# Altium PCB Thermostat_Thorlabs.PCBDOC (part 1 of 2)
Units mil, origin at the board's own origin, x right, y up, seen from the top; angles counter-clockwise.
Board outline 4729.41 x 1993.19 mil, 2 copper layers (TopLayer, BottomLayer), stack 61.855 mil thick; 130 components, 90 nets, 580 pads, 250 vias.
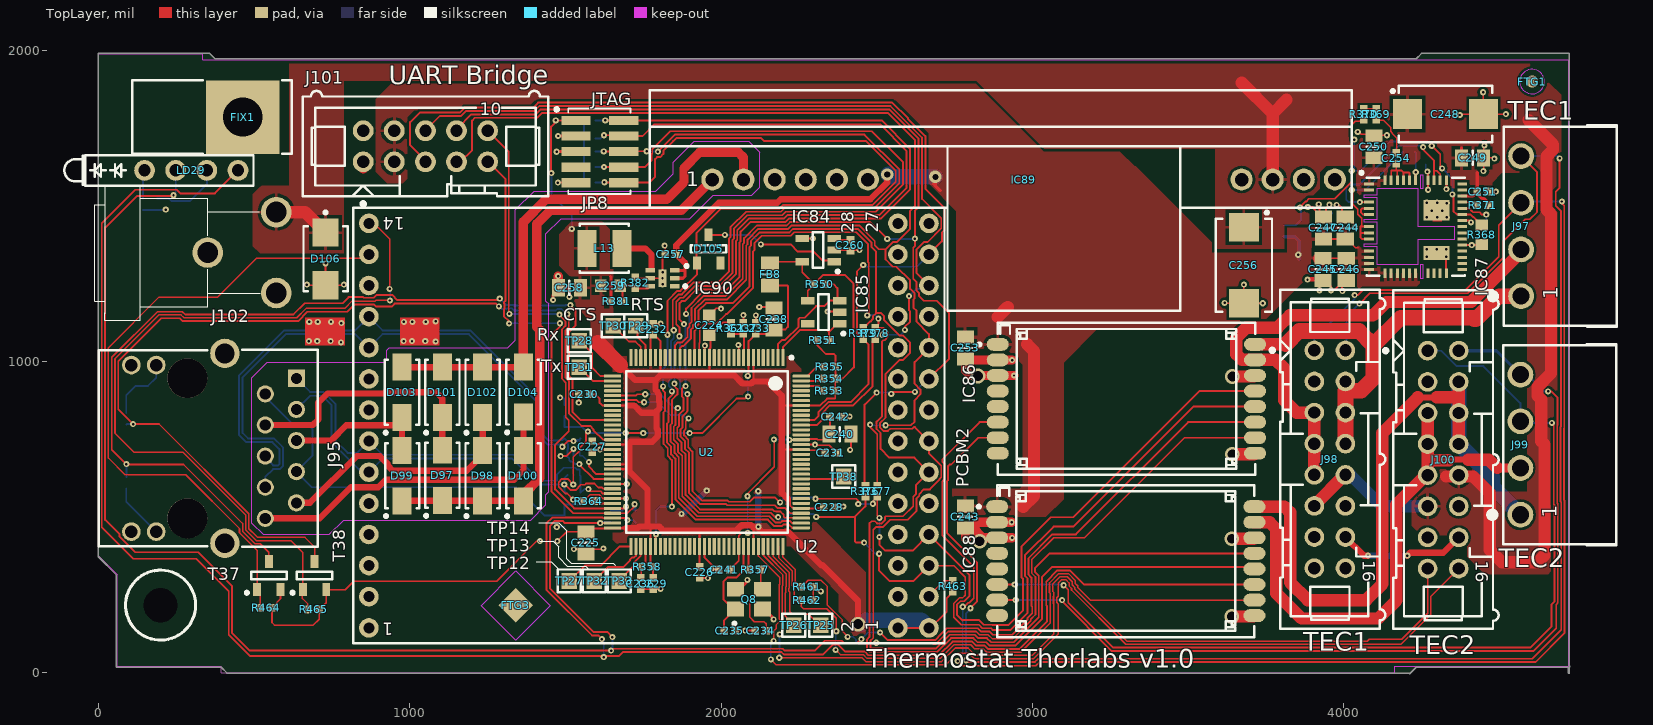
[diagram p0: TopLayer view]
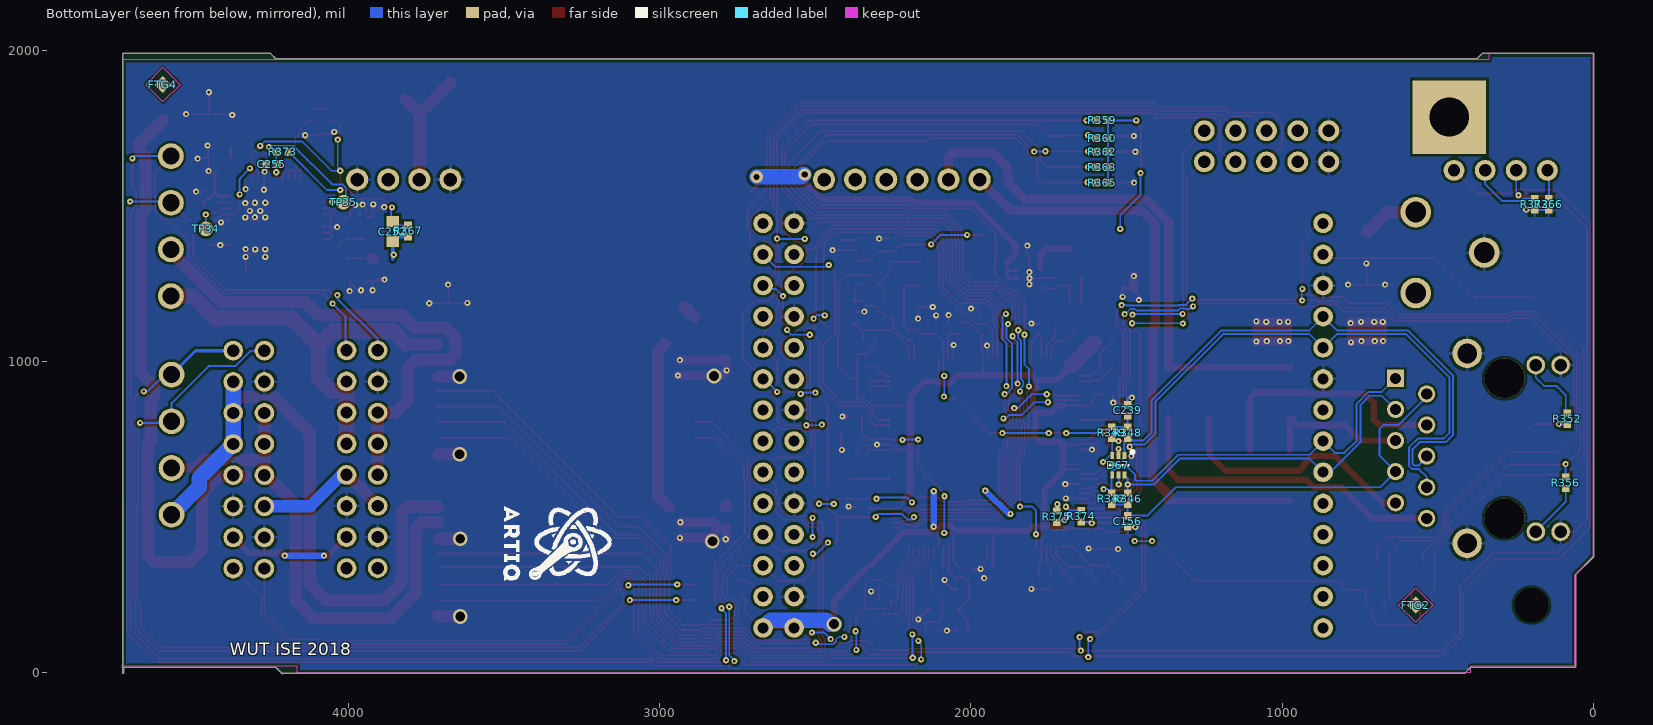
[diagram p1: BottomLayer view, seen from below]

## Layer stack, top to bottom
TopSolder: solder mask 0.4, Solder Resist, Dk 3.5
TopLayer: signal copper 1.4
Dielectric1: core 59.0551, FR-4, Dk 4.8
BottomLayer: signal copper 1.4
BottomSolder: solder mask 0.4, Solder Resist, Dk 3.5

## Board outline
59.06,17.08 cw(c59.06,20.1) 57.07,22.37 57.07,314.14 -1.4,372.61 -1.39,372.6 cw(c0,374.02) -1.98,374.02 -1.98,1988.19 cw(c0,1988.19) 0,1990.17 355.83,1990.17 cw(c355.83,1988.19) 357.24,1989.58 357.23,1989.59 373.81,1973.01 cw(c374.02,1970) 374.02,1973.02 4233.78,1973.02 cw(c4233.78,1970) 4233.99,1973.01 4250.57,1989.59 4250.55,1989.58 cw(c4251.97,1988.19) 4251.97,1990.17 4724.31,1990.17 cw(c4724.41,1988.19) 4726.39,1988.19 4726.39,22.37 cw(c4724.41,20.1) 4727.42,20.1 cw(c4724.41,20.1) 4726.39,17.83 4726.39,0 cw(c4724.41,0) 4722.43,0 4722.43,17.08 4233.94,17.08 4214.73,-2.13 cw(c4212.6,0) 4210.33,-1.98 413.8,-1.98 cw(c413.8,0) 412.38,-1.39 412.4,-1.4 393.9,17.09 cw(c393.7,20.1) 393.7,17.08

## Design rules (kind name [scope] priority, off if disabled: settings)
AcuteAngle [All] p1: minimum=6.00000000000000E+0001 checktracksonly=FALSE
Clearance Clearance_balancing [InNamedPolygon('balancing')] p1: gap=50 ignorepadtopadclearanceinfootprint=FALSE except(25: Via-Via Via-Fill Via-Poly Via-Region Via-Text Via-Hole)
Clearance Clearance_DIFF [(InDifferentialPairClass('All Differential Pairs')and IsTrack ) vs (InDifferentialPairClass('All Differential Pairs') and IsTrack  )] p2 off: gap=20 ignorepadtopadclearanceinfootprint=FALSE except(0: Arc-Hole Track-Hole SMDPad-Hole THPad-Hole Via-Hole Fill-Hole Poly-Hole Region-Hole Text-Hole; 5: SMDPad-SMDPad SMDPad-THPad SMDPad-Via SMDPad-Fill SMDPad-Poly SMDPad-Region SMDPad-Text THPad-THPad THPad-Via THPad-Fill THPad-Poly THPad-Region THPad-Text Via-Via Via-Fill Via-Poly Via-Region Via-Text)
Clearance [All] p3: gap=5 ignorepadtopadclearanceinfootprint=FALSE except(0: Arc-Hole Track-Hole SMDPad-Hole THPad-Hole Via-Hole Fill-Hole Poly-Hole Region-Hole Text-Hole; 8: Arc-Poly Track-Poly SMDPad-Poly THPad-Poly Via-Poly Fill-Poly Poly-Poly)
ComponentClearance [All] p1: gap=0 collisioncheckmode=3 verticalgap=0 showdistances=FALSE
DiffPairsRouting [All] p1: maxlimit=6 minlimit=5 mostfreqgap=6 toplayer_minwidth=5 toplayer_maxwidth=6 toplayer_prefwidth=6 bottomlayer_minwidth=5 bottomlayer_maxwidth=6 bottomlayer_prefwidth=6 maxuncoupledlength=500
FabricationTestPointUsage TestPointUsage [All] p1: valid=0 allowmultiple=FALSE
FabricationTestpoint Testpoint [All] p1: side=3 testpointundercomponent=TRUE minsize=40 maxsize=100 preferedsize=60 minholesize=20 maxholesize=40 preferedholesize=32 testpointgrid=1 allowsidetop=TRUE allowsidebottom=TRUE usegrid=TRUE gridtolerance=0.01
Height [All] p1: minheight=0 maxheight=1574.8 prefheight=1574.8
HoleSize [All] p1: absolutevalues=TRUE maxlimit=150 minlimit=1 maxpercent=80.000 minpercent=20.000
HoleToHoleClearance [All] p1: gap=1 allowstackedmicrovias=TRUE
MinimumSolderMaskSliver [All] p1: minsoldermaskwidth=0
PlaneClearance [All] p1: clearance=7.87
PlaneConnect [All] p1: planeconnectstyle=Direct reliefexpansion=20 reliefentries=4 reliefconductorwidth=10 reliefairgap=10
PolygonConnect PolygonConnect_pad [(InPadClass('All Pads'))] p1: connectstyle=Relief reliefconductorwidth=10 reliefentries=4 polygonreliefangle="90 Angle" airgapwidth=10
PolygonConnect [All] p2: connectstyle=Direct reliefconductorwidth=10 reliefentries=4 polygonreliefangle="45 Angle" airgapwidth=10
RoomDefinition Thermostat_Thorlabs [InComponentClass('Thermostat_Thorlabs')] p1: confinementstyle=ConfineIn formatcopy=TRUE lockcomponents=FALSE outline -3940.94,-6000 -1940.94,-6000 -1940.94,-5000 -3940.94,-5000
RoomDefinition U_CPU_ETH [InComponentClass('U_CPU_ETH')] p2: confinementstyle=ConfineIn formatcopy=TRUE lockcomponents=FALSE outline -3940.94,-6000 -1940.94,-6000 -1940.94,-5000 -3940.94,-5000
RoutingVias [All] p1: holewidth=7.87 width=19.68 viastyle="Through Hole" minholewidth=7.87 minwidth=19.68 maxholewidth=39.37 maxwidth=78.74
SilkToSilkClearance [All] p1: silktosilkclearance=0
SilkToSolderMaskClearance SilkscreenOverComponentPads [IsPad] p1: minsilkscreentomaskgap=0 clearancetoexposedcopper=TRUE
SolderMaskExpansion [All] p1: expansion=2
ViasUnderSMD [All] p1: allowed=FALSE
Width [All] p1: maxlimit=50 minlimit=5 preferedwidth=5
18 further rules are at their usual default settings.

## Classes and differential pairs
component class U_CPU_ETH: C156 C224 C225 C226 C227 C228 C229 C230 C231 C232 C234 C235 C236 C237 C238 C239 C240 C241 C242 C260 D67 D105 FB8 IC84 IC85 JP8 Q8 R346 R347 R348 R349 R350 R351 R353 R354 R355 R357 R358 R359 R360 R361 R362 R363 R364 R365 TP25 TP26 TP27 TP28 TP29 TP30 TP31 TP32 TP33 TP38 U2
component class Thermostat_Thorlabs: B6 B? C233 C243 C244 C245 C246 C247 C248 C249 C250 C251 C252 C253 C254 C255 C256 C257 C258 C259 D97 D98 D99 D100 D101 D102 D103 D104 D106 FIX1 FTG1 FTG2 FTG3 FTG4 IC86 IC87 IC88 IC89 IC90 J4 J95 J97 J98 J99 J100 J101 J102 L13 LD1 LD29 PCBM2 R4 R44 R45 R352 R356 R366 R367 R368 R369 R370 R371 R372 R373 R374 R375 R376 R377 R378 R379 R381 R382 R461 R462 R463 R464 R465 T1 T37 T38 TP34 TP35
differential pair PHY_TD: +PHY_TD_P -PHY_TD_N
differential pair PHY_RD: +PHY_RD_P -PHY_RD_N

## Components (designator, comment, footprint, x,y, rotation, side; value= is the part's Value field where it differs from the comment)
C156 "100nF" CAPC1005X55N 1496.69,486.83 r270 bottom
C224 "1uF" CAPC1608X87N 1962,1116.39 r270 top
C225 "10uF" CAPC2012X135N 1565.58,417 r270 top
C226 "100nF" CAPC1005X55N 1931.06,322.22 r90 top
C227 "100nF" CAPC1005X55N 1586,726.08 r90 top
C228 "100nF" CAPC1005X55N 2348.38,531.91 r180 top
C229 "100nF" CAPC1005X55N 1782,286.39 r90 top
C230 "100nF" CAPC1005X55N 1560.98,894.11 r0 top
C231 "100nF" CAPC1005X55N 2352,706.39 r180 top
C232 "100nF" CAPC1005X55N 1782,1103 r270 top
C233 "100nF" CAPC1005X55N 2112,1106.39 r270 top
C234 "12pF" CAPC1005X55N 2127.51,135.06 r180 top
C235 "12pF" CAPC1005X55N 2027.51,135.06 r0 top
C236 "100nF" CAPC1005X55N 1742,286.39 r90 top
C237 "100nF" CAPC1005X55N 2072,1106.39 r270 top
C238 "10uF" CAPC2012X135N 2170,1136 r90 top
C239 "100nF" CAPC1005X55N 1496.69,842.93 r270 bottom
C240 "10uF" CAPC2012X135N 2382,766.39 r0 top
C241 "100nF" CAPC1005X55N 2010.9,331.47 r0 top
C242 "100nF" CAPC1005X55N 2368.06,823 r180 top
C243 "10uF" CAPC2012X135N 2785.43,500.73 r90 top
C244 "10uF" CAPC2012X135N 4006,1429 r270 top
C245 "10uF" CAPC2012X135N 3934,1296 r90 top
C246 "10uF" CAPC2012X135N 4009,1296 r90 top
C247 "10uF" CAPC2012X135N 3936,1429 r270 top
C248 "220uF" CAPMP7343X430N 4328,1795 r0 top
C249 "10uF" CAPC2012X135N 4415,1654 r180 top
C250 "10uF" CAPC2012X135N 4098,1690 r270 top
C251 "100nF" CAPC1005X55N 4447.82,1546.16 r180 top
C252 "1nF" CAPC1608X87N 3858.27,1417.32 r270 bottom
C253 "10uF" CAPC2012X135N 2785.43,1043.31 r90 top
C254 "100nF" CAPC1005X55N 4170,1653 r270 top
C255 "12pF" CAPC1005X55N 4247.05,1633.86 r180 bottom
C256 "220uF" CAPMP7343X430N 3680,1309 r270 top
C257 "1uF" CAPC1005X55N 1838.58,1344.45 r0 top
C258 "10uF" CAPC2012X135N 1512.79,1237 r180 top
C259 "68pF" CAPC1608X87N 1644.96,1243.58 r180 top
C260 "100nF" CAPC1005X55N 2416,1373 r270 top
D67 "NUP4114UPXV6T1G" SOTFL50P160X60-6N 1526.21,666.16 r270 bottom
D97 "SS16" DIOM5127X229N 1104.52,634 r90 top
D98 "SS16" DIOM5127X229N 1234,633 r90 top
D99 "SS16" DIOM5127X229N 975.6,633 r90 top
D100 "SS16" DIOM5127X229N 1365,632.69 r90 top
D101 "SS16" DIOM5127X229N 1104.52,901.07 r90 top
D102 "SS16" DIOM5127X229N 1234,901 r90 top
D103 "SS16" DIOM5127X229N 974.6,901.07 r90 top
D104 "SS16" DIOM5127X229N 1365,901.87 r90 top
D105 "BAT54C" SOT95P240X130-3N 1960.33,1362 r90 top
D106 "SMBJ15A" DIOM5336X265N 729.13,1329.53 r270 top
FB8 "220R@100MHz" INDC2012X105N 2157.71,1279.54 r270 top
FIX1 "PMB-1" PMB-1 462.83,1785.59 r180 top
FTG1 "Use only in PCB" FIDUCIAL_TOP_C100-200 4606.3,1899.61 r90 top
FTG2 "Use only in PCB" FIDUCIAL_TOP_S100-200 570.87,217 r0 bottom
FTG3 "Use only in PCB" FIDUCIAL_TOP_S200-400 1341,216 r90 top
FTG4 "Use only in PCB" FIDUCIAL_TOP_S100-200 4596.46,1889.76 r90 bottom
IC84 "BD5230FVE-TR" SOT95P280X145-5N 2312,1358 r180 top
IC85 "24AA02E48T-I/OT" SOT95P280X145-5N 2329.88,1158.27 r180 top
IC86 "MTD415T" THORLABS_MTD415T 3302.68,880 r0 top
IC87 "MIC45116-1YMP" MICROCHIP_H3QFN88-52LD-PL-3 4232.28,1433.07 r0 top
IC88 "MTD415T" THORLABS_MTD415T 3300.76,358.39 r0 top
IC89 "AG5300" SILVERTEL_AG5300 2972.44,1584.65 r0 top locked
IC90 "AUR9705AGD" SON65P200X200X80-7N-R65X145 1812.04,1267.28 r180 top
J95 "RJ45" ABRACON_ARJM11C7-114-BA-EW2 285.43,720.87 r270 top
J97 "=Family" FCI_20020110-D041A01LF 4571,1435 r90 top
J98 "Header 16" 3M_N2516-6002RB 3956.51,685.78 r270 top locked
J99 "=Family" FCI_20020110-D041A01LF 4569,732.69 r90 top
J100 "Header 16" 3M_N2516-6002RB 4320.68,684.6 r270 top locked
J101 "Header 10" 3M_N2510-6002RB 1050.12,1691.54 r0 top
J102 "Jack" SWITCHCRAFT_L712RA 570.87,1479.92 r0 top
JP8 "PLHTD10S-TR-CV" PLHTD10S-TR-CV 1610.65,1549.57 r270 top locked
L13 "2.2uH" IND_MURATA_LQH44PN_P0 1624.96,1363.27 r180 top
LD29 "Green/Green" LED_DIALIGHT_571-0122F 147.64,1614.17 r0 top
PCBM2 "WIZ140SR" PCBM_WIZNET_WIZ140SR_a 1768.19,794.09 r180 top locked
Q8 "25MHz" XTAL_NDK_NX3225GA 2090.11,236.22 r90 top
R346 "49R9" RESC1005X40N 1496.69,559.47 r270 bottom
R347 "49R9" RESC1005X40N 1548.25,559.47 r270 bottom
R348 "49R9" RESC1005X40N 1496.69,771.47 r270 bottom
R349 "49R9" RESC1005X40N 1548.25,771.47 r270 bottom
R350 "2k" RESC1005X40N 2317.48,1248 r180 top
R351 "2k" RESC1005X40N 2328.88,1069 r180 top
R352 "330" RESC1005X40N 84,815.81 r90 bottom
R353 "10k" RESC1005X40N 2348.38,905.92 r180 top
R354 "10k" RESC1005X40N 2348.38,945.29 r180 top
R355 "10k" RESC1005X40N 2349,983 r180 top
R356 "330" RESC1005X40N 88.58,610.24 r270 bottom
R357 "2k" RESC1005X40N 2109.8,331.47 r0 top
R358 "49R9" RESC1005X40N 1762.32,341 r180 top
R359 "10k" RESC1005X40N 1577.78,1774.57 r0 bottom
R360 "10k" RESC1005X40N 1577.78,1716.69 r0 bottom
R361 "49R9" RESC1005X40N 2032,1106.39 r90 top
R362 "10k" RESC1005X40N 1577.78,1674.57 r0 bottom
R363 "10k" RESC1005X40N 1577.78,1624.57 r0 bottom
R364 "4k87" RESC1005X40N 1575.17,551.59 r0 top
R365 "10k" RESC1005X40N 1577.78,1574.57 r0 bottom
R366 "1k6" RESC1005X40N 143,1505 r270 bottom
R367 "6k8" RESC1005X40N 3809.06,1419.29 r270 bottom
R368 "1k3" RESC1608X55N 4444.87,1407.48 r90 top
R369 "10k" RESC1005X40N 4105,1794 r270 top
R370 "10k" RESC1005X40N 4065,1794 r90 top
R371 "1k6" RESC1005X40N 4447.82,1502 r0 top
R372 "1k6" RESC1005X40N 188,1505 r270 bottom
R373 "1k6" RESC1005X40N 4211,1673.23 r180 bottom
R374 "2k" RESC1005X40N 1646,503.08 r90 bottom
R375 "2k" RESC1005X40N 1725,501 r90 bottom
R376 "2k" RESC1005X40N 2464.21,582.8 r90 top
R377 "2k" RESC1005X40N 2502.01,582.8 r90 top
R378 "2k" RESC1005X40N 2495,1090 r270 top
R379 "2k" RESC1005X40N 2457,1090 r270 top
R381 "100k" RESC1005X40N 1664.96,1193.58 r180 top
R382 "22k" RESC1005X40N 1724.96,1253.58 r270 top
R461 "1k6" RESC1005X40N 2277.5,276 r0 top
R462 "1k6" RESC1005X40N 2277,233 r0 top
R463 "22k" RESC1005X40N 2745,277.5 r90 top
R464 "22k" RESC1005X40N 538.5,208 r0 top
R465 "22k" RESC1005X40N 691,203 r0 top
T37 "BSS84LT1G" SOT95P240X110-3N 547,312 r90 top
T38 "BSS84LT1G" SOT95P240X110-3N 694,312 r90 top
TP25 "Test Point" TPS127 2320,152 r90 top
TP26 "Test Point" TPS127 2234,152 r90 top
TP27 "Test Point" TPS127 1512.79,294.66 r90 top
TP28 "Test Point" TPS127 1545,1066.95 r0 top
TP29 "Test Point" TPS127 1726,1115 r90 top
TP30 "Test Point" TPS127 1653,1115 r90 top
TP31 "Test Point" TPS127 1544,981.71 r0 top
TP32 "Test Point" TPS127 1592.79,294.66 r90 top
TP33 "Test Point" TPS127 1672.79,294.66 r90 top
TP34 "TP" TP 4458.66,1425.98 r90 bottom
TP35 "TP" TP 4016.69,1511.81 r90 bottom
TP38 "Test Point" TPS127 2394.8,630.33 r90 top
U2 "TM4C1294NCPDTT3R" PDT0128A_N 1954.68,709.07 r270 top locked

## Footprints (in the part's own frame and the unit in brackets; to place one, negate y for a bottom-side part, rotate by r counter-clockwise, add the part's x,y. Pads: shape width x height; smd on the part's side, far side on the other; paste and mask are expansions set on the pad)
3M_N2510-6002RB [mm] "10 Contacts - Straight .100\" x .100\" Low Profile Four-Wall Header"
  round 1.7 hole 1: 1(-5.08,-1.27) 2(-5.08,1.27) 3(-2.54,-1.27) 4(-2.54,1.27) 5(0,-1.27) 6(0,1.27) 7(2.54,-1.27) 8(2.54,1.27) 9(5.08,-1.27) 10(5.08,1.27)
  silkscreen extent -10.01,-4.85 10.01,4.52, body extent -10.01,-4.11 10.01,4.52, height 9.91
3M_N2516-6002RB [mm] "16 Contacts - Straight .100\" x .100\" Low Profile Four-Wall Header"
  round 1.6 hole 1: 1(-8.89,-1.27) 2(-8.89,1.27) 3(-6.35,-1.27) 4(-6.35,1.27) 5(-3.81,-1.27) 6(-3.81,1.27) 7(-1.27,-1.27) 8(-1.27,1.27) 9(1.27,-1.27) 10(1.27,1.27) 11(3.81,-1.27) 12(3.81,1.27) 13(6.35,-1.27) 14(6.35,1.27) 15(8.89,-1.27) 16(8.89,1.27)
  silkscreen extent -13.82,-4.85 13.82,4.52, body extent -13.82,-4.17 13.82,4.52, height 9.65
ABRACON_ARJM11C7-114-BA-EW2 [mm] "LAN Transformer, body 21.84x15.88mm"
  round 1.4 hole 0.9: 1(5.715,6.35) 2(4.445,8.89) 3(3.175,6.35) 4(1.905,8.89) 5(0.635,6.35) 6(-0.635,8.89) 7(-1.905,6.35) 8(-3.175,8.89) 9(-4.445,6.35)
  rect 1.4x1.4 hole 0.9: 10(-5.715,8.89)
  round 1.52 hole 1.02: L1(-6.8,-2.55) L2(-6.8,-4.58) L3(6.8,-2.55) L4(6.8,-4.58)
  round 3.25 hole 3.25 unplated: MH1(-5.715,0) MH2(5.715,0)
  round 2.4 hole 1.6: S1(-7.745,3.05) S2(7.745,3.05)
  silkscreen extent -8.04,-7.25 8.04,10.63, body extent -10.33,-10.87 10.33,10.63, height 16.15
CAPC1005X55N [mm] "Chip Capacitor, Body 1.0x0.55mm, IPC Medium Density"
  rect 0.62x0.62 smd: 1(-0.45,0) 2(0.45,0)
  body extent -0.52,-0.27 0.53,0.28, height 0.55
CAPC1608X87N [mm] "Chip Capacitor, Body 1.6x0.8mm IPC Medium Density"
  rect 0.95x1 smd: 1(-0.8,0) 2(0.8,0)
  body extent -0.87,-0.47 0.88,0.48, height 0.87
CAPC2012X135N [mm] "Chip Capacitor, Body 2.0x1.25mm, IPC Medium Density"
  rect 1.05x1.4 smd: 1(-0.9,0) 2(0.9,0)
  silkscreen extent 0,-0.58 0,0.58, body extent -1.05,-0.67 1.05,0.68, height 1.25
CAPMP7343X430N [mm] "Capacitor, Polarized, Molded  Body 7.3x4.3mm, IPC Medium Density"
  rect 2.35x2.45 smd: 1(-3.1,0) 2(3.1,0)
  silkscreen extent -4.42,-2.3 3.8,2.3, body extent -3.8,-2.3 3.8,2.3, height 4.3
DIOM5127X229N [mm] "DO-214-AC/SMA Molded Diode, 2-Leads, Body 5.1x2.7mm, IPC Medium Density"
  rect 2.2x1.55 smd: 1(-2.05,0) 2(2.05,0)
  silkscreen extent -3.42,-1.4 2.65,1.45, body extent -2.67,-1.45 2.68,1.45, height 2.29
DIOM5336X265N [mm] "DO-214-AA/SMB Diode, Molded Body; 5.34mm L X 3.625mm W X 2.65mm H, IPC Medium Density"
  rect 2.3x2.15 smd: 1(-2.15,0) 2(2.15,0)
  silkscreen extent -3.92,-1.8 2.65,1.8, body extent -2.7,-1.95 2.7,1.95, height 2.4
FCI_20020110-D041A01LF [mm] "10A, 300V, 4 Positions, Pitch 3.81mm, Right Angled Terminal Block"
  round 2.1 hole 1.4: 1(-5.715,0) 2(-1.905,0) 3(1.905,0) 4(5.715,0)
  silkscreen extent -8.21,-7.8 8.22,2.55, body extent -8.21,-7.8 8.22,1.4, height 7.6
FIDUCIAL_TOP_C100-200 [mm] "Round Fiducial Target, Top Layer, 1.0mm, Top Solder 2.0mm, Keepout =2.0mm"
  round 1 smd paste-0.51 mask+0.5: FTG2(0,0)
  TopLayer keep-out circle w0.1: c0,0 r1
FIDUCIAL_TOP_S100-200 [mm] "Square Fiducial Target, Top Layer, 1.0mm, Top Solder 2.0mm, Keepout =2.0mm"
  rect 1x1 smd rot 45 paste-0.51 mask+0.5: 1(0,0)
  TopLayer keep-out region: 1.414,0 0,-1.414 -1.414,0 0,1.414
FIDUCIAL_TOP_S200-400 [mm] "Square Fiducial Target, Top Layer, 2.0mm, Top Solder 4.0mm, Keepout =4.0mm"
  rect 2x2 smd rot 45 paste-0.9 mask+1: 1(0,0)
  TopLayer keep-out region: -2.839,0.011 -0.011,2.839 2.818,0.011 -0.011,-2.818
IND_MURATA_LQH44PN_P0 [mm] "Wire Wound Ferrite Inductor for Power Lines, 4mm L X 4mm W X 1.65mm H, MURATA LQH44PN_P0 Series"
  rect 1.55x3 smd: 1(-1.425,0) 2(1.425,0)
  silkscreen extent -2,-2 2,2, body extent -2,-2 2,2, height 1.65
INDC2012X105N [mm] "Chip Inductor, EIA 0805, Metric 2012, Body 2.0x1.25mm, IPC Medium Density"
  rect 1.15x1.45 smd: 1(-0.9,0) 2(0.9,0)
  silkscreen extent 0,-0.6 0,0.6, body extent -1.1,-0.7 1.1,0.7, height 1.1
LED_DIALIGHT_571-0122F [mm] "2x 2mm LED (Top: Green, Bot: Green) PCB Edge Mounting (Without positioning pins) DIALIGHT 571 Serie"
  round 1.7 hole 1: 1(0,0) 2(2.54,0) 3(5.08,0) 4(7.62,0)
  silkscreen extent -6.55,-1.24 8.89,1.24, body extent -6.55,-1.24 8.89,1.24, height 8.61
MICROCHIP_H3QFN88-52LD-PL-3 [mm] "MICROCHIP_H3QFN88-52LD-PL-3, 0.50mm Pitch, Square, 52 Pin, 8mm L X 8mm W X 3mm H Body"
  rect 0.8x0.25 smd: 1(-3.8,3.5) 2(-3.8,3) 4(-3.8,2) 5(-3.8,1.5) 6(-3.8,1) 8(-3.8,0) 9(-3.8,-0.5) 10(-3.8,-1) 12(-3.8,-2) 13(-3.8,-2.5) 14(-3.8,-3) 15(-3.8,-3.5) 27(3.8,-3.5) 28(3.8,-3) 29(3.8,-2.5) 30(3.8,-2) 31(3.8,-1.5) 32(3.8,-1) 33(3.8,-0.5) 34(3.8,0) 35(3.8,0.5) 36(3.8,1) 37(3.8,1.5) 38(3.8,2) 39(3.8,2.5) 40(3.8,3) 41(3.8,3.5)
  rect 0.25x0.8 smd: 16(-2.5,-3.8) 17(-2,-3.8) 18(-1.5,-3.8) 19(-1,-3.8) 20(-0.5,-3.8) 21(0,-3.8) 23(1,-3.8) 24(1.5,-3.8) 25(2,-3.8) 26(2.5,-3.8) 42(2.5,3.8) 43(2,3.8) 44(1.5,3.8) 45(1,3.8) 47(0,3.8) 48(-0.5,3.8) 49(-1,3.8) 50(-1.5,3.8) 51(-2,3.8) 52(-2.5,3.8)
  rect 2.1x1.675 smd: 53(1.7,1.363)
  rect 2.1x1.15 smd: 54(1.7,-2.15)
  TopLayer lines w0.05: 1.7,0.525 1.7,0.525
  TopLayer keep-out region: 0.375,3.12 0.625,3.12 0.625,4.2 0.375,4.2
  TopLayer keep-out region: 0.375,-4.2 0.625,-4.2 0.625,-3.12 0.375,-3.12
  TopLayer keep-out region: -4.2,-1.625 -4.2,-1.375 -3.15,-1.375 -3.15,0.375 -4.2,0.375 -4.2,0.625 -3.15,0.625 -3.15,2.375 -4.2,2.375 -4.2,2.625 -3.15,2.625 -3.15,3.12 0.15,3.12 0.15,0.025 3.15,0.025 3.15,-1.075 0.15,-1.075 0.15,-3.12 -3.15,-3.12 -3.15,-1.625
  silkscreen extent -4.55,-4 4,4.52, body extent -4,-4 4,4, height 3
PCBM_WIZNET_WIZ140SR_a [mm] "Quad Serial to Ethernet Module Body 48.26mm x 35.56mm"
  round 1.6 hole 0.9: J1-1(-22.86,16.51) J1-2(-20.32,16.51) J1-3(-22.86,13.97) J1-4(-20.32,13.97) J1-5(-22.86,11.43) J1-6(-20.32,11.43) J1-7(-22.86,8.89) J1-8(-20.32,8.89) J1-9(-22.86,6.35) J1-10(-20.32,6.35) J1-11(-22.86,3.81) J1-12(-20.32,3.81) J1-13(-22.86,1.27) J1-14(-20.32,1.27) J1-15(-22.86,-1.27) J1-16(-20.32,-1.27) J1-17(-22.86,-3.81) J1-18(-20.32,-3.81) J1-19(-22.86,-6.35) J1-20(-20.32,-6.35) J1-21(-22.86,-8.89) J1-22(-20.32,-8.89) J1-23(-22.86,-11.43) J1-24(-20.32,-11.43) J1-25(-22.86,-13.97) J1-26(-20.32,-13.97) J1-27(-22.86,-16.51) J1-28(-20.32,-16.51) J2-1(22.86,16.51) J2-2(22.86,13.97) J2-3(22.86,11.43) J2-4(22.86,8.89) J2-5(22.86,6.35) J2-6(22.86,3.81) J2-7(22.86,1.27) J2-8(22.86,-1.27) J2-9(22.86,-3.81) J2-10(22.86,-6.35) J2-11(22.86,-8.89) J2-12(22.86,-11.43) J2-13(22.86,-13.97) J2-14(22.86,-16.51)
  silkscreen extent -24.13,-17.78 24.13,17.78, body extent -24.13,-17.78 24.13,17.78, height 15.29
PDT0128A_N [mm] "QFP, 128-Leads, Body 14x14mm, Pitch 0.4mm, IPC Medium Density"
  rrect40% 1.4x0.25 smd: 1(-7.7,6.2) 2(-7.7,5.8) 3(-7.7,5.4) 4(-7.7,5) 5(-7.7,4.6) 6(-7.7,4.2) 7(-7.7,3.8) 8(-7.7,3.4) 9(-7.7,3) 10(-7.7,2.6) 11(-7.7,2.2) 12(-7.7,1.8) 13(-7.7,1.4) 14(-7.7,1) 15(-7.7,0.6) 16(-7.7,0.2) 17(-7.7,-0.2) 18(-7.7,-0.6) 19(-7.7,-1) 20(-7.7,-1.4) 21(-7.7,-1.8) 22(-7.7,-2.2) 23(-7.7,-2.6) 24(-7.7,-3) 25(-7.7,-3.4) 26(-7.7,-3.8) 27(-7.7,-4.2) 28(-7.7,-4.6) 29(-7.7,-5) 30(-7.7,-5.4) 31(-7.7,-5.8) 32(-7.7,-6.2) 65(7.7,-6.2) 66(7.7,-5.8) 67(7.7,-5.4) 68(7.7,-5) 69(7.7,-4.6) 70(7.7,-4.2) 71(7.7,-3.8) 72(7.7,-3.4) 73(7.7,-3) 74(7.7,-2.6) 75(7.7,-2.2) 76(7.7,-1.8) 77(7.7,-1.4) 78(7.7,-1) 79(7.7,-0.6) 80(7.7,-0.2) 81(7.7,0.2) 82(7.7,0.6) 83(7.7,1) 84(7.7,1.4) 85(7.7,1.8) 86(7.7,2.2) 87(7.7,2.6) 88(7.7,3) 89(7.7,3.4) 90(7.7,3.8) 91(7.7,4.2) 92(7.7,4.6) 93(7.7,5) 94(7.7,5.4) 95(7.7,5.8) 96(7.7,6.2)
  rrect40% 0.25x1.4 smd: 33(-6.2,-7.7) 34(-5.8,-7.7) 35(-5.4,-7.7) 36(-5,-7.7) 37(-4.6,-7.7) 38(-4.2,-7.7) 39(-3.8,-7.7) 40(-3.4,-7.7) 41(-3,-7.7) 42(-2.6,-7.7) 43(-2.2,-7.7) 44(-1.8,-7.7) 45(-1.4,-7.7) 46(-1,-7.7) 47(-0.6,-7.7) 48(-0.2,-7.7) 49(0.2,-7.7) 50(0.6,-7.7) 51(1,-7.7) 52(1.4,-7.7) 53(1.8,-7.7) 54(2.2,-7.7) 55(2.6,-7.7) 56(3,-7.7) 57(3.4,-7.7) 58(3.8,-7.7) 59(4.2,-7.7) 60(4.6,-7.7) 61(5,-7.7) 62(5.4,-7.7) 63(5.8,-7.7) 64(6.2,-7.7) 97(6.2,7.7) 98(5.8,7.7) 99(5.4,7.7) 100(5,7.7) 101(4.6,7.7) 102(4.2,7.7) 103(3.8,7.7) 104(3.4,7.7) 105(3,7.7) 106(2.6,7.7) 107(2.2,7.7) 108(1.8,7.7) 109(1.4,7.7) 110(1,7.7) 111(0.6,7.7) 112(0.2,7.7) 113(-0.2,7.7) 114(-0.6,7.7) 115(-1,7.7) 116(-1.4,7.7) 117(-1.8,7.7) 118(-2.2,7.7) 119(-2.6,7.7) 120(-3,7.7) 121(-3.4,7.7) 122(-3.8,7.7) 123(-4.2,7.7) 124(-4.6,7.7) 125(-5,7.7) 126(-5.4,7.7) 127(-5.8,7.7) 128(-6.2,7.7)